# Altium PCB JacdacBreadboardEc30-16x6 128.PcbDoc (part 2 of 2)
Units mm, origin at the board's own origin, x right, y up, seen from the top; angles counter-clockwise.
Board outline 158 x 58 mm, 2 copper layers (Top Layer, Bottom Layer), stack 1.525 mm thick; 96 components, 3 nets, 768 pads, 434 vias.
Unrouted connection lines stored in the file: 55.
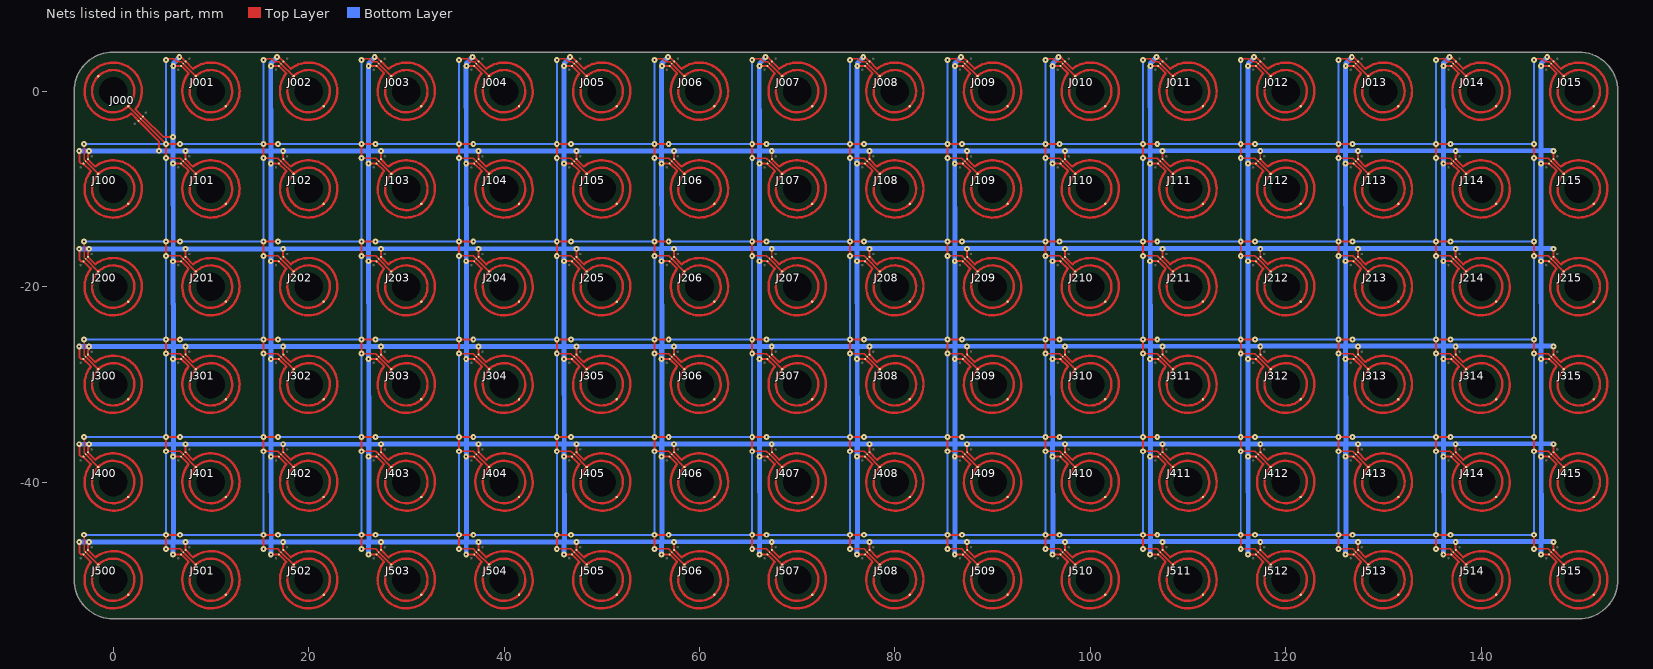
[diagram p2: the nets of this part, all layers, seen from the top]

## Via types
v1: diameter 0.6, hole 0.2, Top Layer to Bottom Layer, tented both sides, 434 vias

## Nets (pads, with @x,y where several pads share a name; then routed paths per layer and width w, separated by ;. In a path a pad name is that pad's centre, name@x,y a point inside that pad or via, vN(x,y) a via of type N, cw(c..) or ccw(c..) an arc to the next point about the centre after c; other vN are vias at no path point) (continued)
JD_DATA: J000.1 J001.1 J002.1 J003.1 J004.1 J005.1 J006.1 J007.1 J008.1 J009.1 J010.1 J011.1 J012.1 J013.1 J014.1 J015.1 J100.1 J101.1 J102.1 J103.1 J104.1 J105.1 J106.1 J107.1 J108.1 J109.1 J110.1 J111.1 J112.1 J113.1 J114.1 J115.1 J200.1 J201.1 J202.1 J203.1 J204.1 J205.1 J206.1 J207.1 J208.1 J209.1 J210.1 J211.1 J212.1 J213.1 J214.1 J215.1 J300.1 J301.1 J302.1 J303.1 J304.1 J305.1 J306.1 J307.1 J308.1 J309.1 J310.1 J311.1 J312.1 J313.1 J314.1 J315.1 J400.1 J401.1 J402.1 J403.1 J404.1 J405.1 J406.1 J407.1 J408.1 J409.1 J410.1 J411.1 J412.1 J413.1 J414.1 J415.1 J500.1 J501.1 J502.1 J503.1 J504.1 J505.1 J506.1 J507.1 J508.1 J509.1 J510.1 J511.1 J512.1 J513.1 J514.1 J515.1 | length 1678.9
  Top Layer w0.15: v1(-2.976,-45.4) -2.976,-47.024 J500.1@-2.828,-47.172 ; v1(-2.976,-35.4) -2.976,-37.024 J400.1@-2.828,-37.172 ; v1(-2.976,-25.4) -2.976,-27.024 J300.1@-2.828,-27.172 ; v1(-2.976,-15.4) -2.976,-17.024 J200.1@-2.828,-17.172 ; v1(-2.976,-5.4) -2.976,-7.024 J100.1@-2.828,-7.172 ; J000.1@2.828,-2.828 v1(5.4,-5.4) ; v1(5.4,-46.854) 6.854,-46.854 J501.1@7.172,-47.172 ; v1(5.4,-36.854) 6.854,-36.854 J401.1@7.172,-37.172 ; v1(5.4,-26.854) 6.854,-26.854 J301.1@7.172,-27.172 ; v1(5.4,-16.854) 6.854,-16.854 J201.1@7.172,-17.172 ; v1(5.4,-6.854) 6.854,-6.854 J101.1@7.172,-7.172 ; v1(5.4,3.211) 5.525,3.336 6.216,3.336 6.557,2.995 7.005,2.995 J001.1@7.172,2.828 ; v1(15.4,-46.854) 16.854,-46.854 J502.1@17.172,-47.172 ; v1(15.4,-36.854) 16.854,-36.854 J402.1@17.172,-37.172 ; v1(15.4,-26.854) 16.854,-26.854 J302.1@17.172,-27.172 ; v1(15.4,-16.854) 16.854,-16.854 J202.1@17.172,-17.172 ; v1(15.4,-6.854) 16.854,-6.854 J102.1@17.172,-7.172 ; v1(15.4,3.211) 15.525,3.336 16.216,3.336 16.557,2.995 17.005,2.995 J002.1@17.172,2.828 ; v1(25.4,-46.854) 26.854,-46.854 J503.1@27.172,-47.172 ; v1(25.4,-36.854) 26.854,-36.854 J403.1@27.172,-37.172 ; v1(25.4,-26.854) 26.854,-26.854 J303.1@27.172,-27.172 ; v1(25.4,-16.854) 26.854,-16.854 J203.1@27.172,-17.172 ; v1(25.4,-6.854) 26.854,-6.854 J103.1@27.172,-7.172 ; v1(25.4,3.211) 25.525,3.336 26.216,3.336 26.557,2.995 27.005,2.995 J003.1@27.172,2.828 ; v1(35.4,-46.854) 36.854,-46.854 J504.1@37.172,-47.172 ; v1(35.4,-36.854) 36.854,-36.854 J404.1@37.172,-37.172 ; v1(35.4,-26.854) 36.854,-26.854 J304.1@37.172,-27.172 ; v1(35.4,-16.854) 36.854,-16.854 J204.1@37.172,-17.172 ; v1(35.4,-6.854) 36.854,-6.854 J104.1@37.172,-7.172 ; v1(35.4,3.211) 35.525,3.336 36.216,3.336 36.557,2.995 37.005,2.995 J004.1@37.172,2.828 ; v1(45.4,-46.854) 46.854,-46.854 J505.1@47.172,-47.172 ; v1(45.4,-36.854) 46.854,-36.854 J405.1@47.172,-37.172 ; v1(45.4,-26.854) 46.854,-26.854 J305.1@47.172,-27.172 ; v1(45.4,-16.854) 46.854,-16.854 J205.1@47.172,-17.172 ; v1(45.4,-6.854) 46.854,-6.854 J105.1@47.172,-7.172 ; v1(45.4,3.211) 45.525,3.336 46.216,3.336 46.557,2.995 47.005,2.995 J005.1@47.172,2.828 ; v1(55.4,-46.854) 56.854,-46.854 J506.1@57.172,-47.172 ; v1(55.4,-36.854) 56.854,-36.854 J406.1@57.172,-37.172 ; v1(55.4,-26.854) 56.854,-26.854 J306.1@57.172,-27.172 ; v1(55.4,-16.854) 56.854,-16.854 J206.1@57.172,-17.172 ; v1(55.4,-6.854) 56.854,-6.854 J106.1@57.172,-7.172 ; v1(55.4,3.211) 55.525,3.336 56.216,3.336 56.557,2.995 57.005,2.995 J006.1@57.172,2.828 ; v1(65.4,-46.854) 66.854,-46.854 J507.1@67.172,-47.172 ; v1(65.4,-36.854) 66.854,-36.854 J407.1@67.172,-37.172 ; v1(65.4,-26.854) 66.854,-26.854 J307.1@67.172,-27.172 ; v1(65.4,-16.854) 66.854,-16.854 J207.1@67.172,-17.172 ; v1(65.4,-6.854) 66.854,-6.854 J107.1@67.172,-7.172 ; v1(65.4,3.211) 65.525,3.336 66.216,3.336 66.557,2.995 67.005,2.995 J007.1@67.172,2.828 ; v1(75.4,-46.854) 76.854,-46.854 J508.1@77.172,-47.172 ; v1(75.4,-36.854) 76.854,-36.854 J408.1@77.172,-37.172 ; v1(75.4,-26.854) 76.854,-26.854 J308.1@77.172,-27.172 ; v1(75.4,-16.854) 76.854,-16.854 J208.1@77.172,-17.172 ; v1(75.4,-6.854) 76.854,-6.854 J108.1@77.172,-7.172 ; v1(75.4,3.211) 75.525,3.336 76.216,3.336 76.557,2.995 77.005,2.995 J008.1@77.172,2.828 ; v1(85.4,-46.854) 86.854,-46.854 J509.1@87.172,-47.172 ; v1(85.4,-36.854) 86.854,-36.854 J409.1@87.172,-37.172 ; v1(85.4,-26.854) 86.854,-26.854 J309.1@87.172,-27.172 ; v1(85.4,-16.854) 86.854,-16.854 J209.1@87.172,-17.172 ; v1(85.4,-6.854) 86.854,-6.854 J109.1@87.172,-7.172 ; v1(85.4,3.211) 85.525,3.336 86.216,3.336 86.557,2.995 87.005,2.995 J009.1@87.172,2.828 ; v1(95.4,-46.854) 96.854,-46.854 J510.1@97.172,-47.172 ; v1(95.4,-36.854) 96.854,-36.854 J410.1@97.172,-37.172 ; v1(95.4,-26.854) 96.854,-26.854 J310.1@97.172,-27.172 ; v1(95.4,-16.854) 96.854,-16.854 J210.1@97.172,-17.172 ; v1(95.4,-6.854) 96.854,-6.854 J110.1@97.172,-7.172 ; v1(95.4,3.211) 95.525,3.336 96.216,3.336 96.557,2.995 97.005,2.995 J010.1@97.172,2.828 ; v1(105.4,-46.854) 106.854,-46.854 J511.1@107.172,-47.172 ; v1(105.4,-36.854) 106.854,-36.854 J411.1@107.172,-37.172 ; v1(105.4,-26.854) 106.854,-26.854 J311.1@107.172,-27.172 ; v1(105.4,-16.854) 106.854,-16.854 J211.1@107.172,-17.172 ; v1(105.4,-6.854) 106.854,-6.854 J111.1@107.172,-7.172 ; v1(105.4,3.211) 105.525,3.336 106.216,3.336 106.557,2.995 107.005,2.995 J011.1@107.172,2.828 ; v1(115.4,-46.854) 116.854,-46.854 J512.1@117.172,-47.172 ; v1(115.4,-36.854) 116.854,-36.854 J412.1@117.172,-37.172 ; v1(115.4,-26.854) 116.854,-26.854 J312.1@117.172,-27.172 ; v1(115.4,-16.854) 116.854,-16.854 J212.1@117.172,-17.172 ; v1(115.4,-6.854) 116.854,-6.854 J112.1@117.172,-7.172 ; v1(115.4,3.211) 115.525,3.336 116.216,3.336 116.557,2.995 117.005,2.995 J012.1@117.172,2.828 ; v1(125.4,-46.854) 126.854,-46.854 J513.1@127.172,-47.172 ; v1(125.4,-36.854) 126.854,-36.854 J413.1@127.172,-37.172 ; v1(125.4,-26.854) 126.854,-26.854 J313.1@127.172,-27.172 ; v1(125.4,-16.854) 126.854,-16.854 J213.1@127.172,-17.172 ; v1(125.4,-6.854) 126.854,-6.854 J113.1@127.172,-7.172 ; v1(125.4,3.211) 125.525,3.336 126.216,3.336 126.557,2.995 127.005,2.995 J013.1@127.172,2.828 ; v1(135.4,-46.854) 136.854,-46.854 J514.1@137.172,-47.172 ; v1(135.4,-36.854) 136.854,-36.854 J414.1@137.172,-37.172 ; v1(135.4,-26.854) 136.854,-26.854 J314.1@137.172,-27.172 ; v1(135.4,-16.854) 136.854,-16.854 J214.1@137.172,-17.172 ; v1(135.4,-6.854) 136.854,-6.854 J114.1@137.172,-7.172 ; v1(135.4,3.211) 135.525,3.336 136.216,3.336 136.557,2.995 137.005,2.995 J014.1@137.172,2.828 ; v1(145.4,-46.854) 146.854,-46.854 J515.1@147.172,-47.172 ; v1(145.4,-36.854) 146.854,-36.854 J415.1@147.172,-37.172 ; v1(145.4,-26.854) 146.854,-26.854 J315.1@147.172,-27.172 ; v1(145.4,-16.854) 146.854,-16.854 J215.1@147.172,-17.172 ; v1(145.4,-6.854) 146.854,-6.854 J115.1@147.172,-7.172 ; v1(145.4,3.211) 145.525,3.336 146.216,3.336 146.557,2.995 147.005,2.995 J015.1@147.172,2.828
  Top Layer w0.2: v1(5.4,-46.854) v1(5.4,-45.4) v1(6.854,-45.4) ; v1(5.4,-36.854) v1(5.4,-35.4) v1(6.854,-35.4) ; v1(5.4,-26.854) v1(5.4,-25.4) v1(6.854,-25.4) ; v1(5.4,-16.854) v1(5.4,-15.4) v1(6.854,-15.4) ; v1(5.4,-6.854) v1(5.4,-5.4) v1(6.854,-5.4) ; v1(15.4,-46.854) v1(15.4,-45.4) v1(16.854,-45.4) ; v1(15.4,-36.854) v1(15.4,-35.4) v1(16.854,-35.4) ; v1(15.4,-26.854) v1(15.4,-25.4) v1(16.854,-25.4) ; v1(15.4,-16.854) v1(15.4,-15.4) v1(16.854,-15.4) ; v1(15.4,-6.854) v1(15.4,-5.4) v1(16.854,-5.4) ; v1(25.4,-46.854) v1(25.4,-45.4) v1(26.854,-45.4) ; v1(25.4,-36.854) v1(25.4,-35.4) v1(26.854,-35.4) ; v1(25.4,-26.854) v1(25.4,-25.4) v1(26.854,-25.4) ; v1(25.4,-16.854) v1(25.4,-15.4) v1(26.854,-15.4) ; v1(25.4,-6.854) v1(25.4,-5.4) v1(26.854,-5.4) ; v1(35.4,-46.854) v1(35.4,-45.4) v1(36.854,-45.4) ; v1(35.4,-36.854) v1(35.4,-35.4) v1(36.854,-35.4) ; v1(35.4,-26.854) v1(35.4,-25.4) v1(36.854,-25.4) ; v1(35.4,-16.854) v1(35.4,-15.4) v1(36.854,-15.4) ; v1(35.4,-6.854) v1(35.4,-5.4) v1(36.854,-5.4) ; v1(45.4,-46.854) v1(45.4,-45.4) v1(46.854,-45.4) ; v1(45.4,-36.854) v1(45.4,-35.4) v1(46.854,-35.4) ; v1(45.4,-26.854) v1(45.4,-25.4) v1(46.854,-25.4) ; v1(45.4,-16.854) v1(45.4,-15.4) v1(46.854,-15.4) ; v1(45.4,-6.854) v1(45.4,-5.4) v1(46.854,-5.4) ; v1(55.4,-46.854) v1(55.4,-45.4) v1(56.854,-45.4) ; v1(55.4,-36.854) v1(55.4,-35.4) v1(56.854,-35.4) ; v1(55.4,-26.854) v1(55.4,-25.4) v1(56.854,-25.4) ; v1(55.4,-16.854) v1(55.4,-15.4) v1(56.854,-15.4) ; v1(55.4,-6.854) v1(55.4,-5.4) v1(56.854,-5.4) ; v1(65.4,-46.854) v1(65.4,-45.4) v1(66.854,-45.4) ; v1(65.4,-36.854) v1(65.4,-35.4) v1(66.854,-35.4) ; v1(65.4,-26.854) v1(65.4,-25.4) v1(66.854,-25.4) ; v1(65.4,-16.854) v1(65.4,-15.4) v1(66.854,-15.4) ; v1(65.4,-6.854) v1(65.4,-5.4) v1(66.854,-5.4) ; v1(75.4,-46.854) v1(75.4,-45.4) v1(76.854,-45.4) ; v1(75.4,-36.854) v1(75.4,-35.4) v1(76.854,-35.4) ; v1(75.4,-26.854) v1(75.4,-25.4) v1(76.854,-25.4) ; v1(75.4,-16.854) v1(75.4,-15.4) v1(76.854,-15.4) ; v1(75.4,-6.854) v1(75.4,-5.4) v1(76.854,-5.4) ; v1(85.4,-46.854) v1(85.4,-45.4) v1(86.854,-45.4) ; v1(85.4,-36.854) v1(85.4,-35.4) v1(86.854,-35.4) ; v1(85.4,-26.854) v1(85.4,-25.4) v1(86.854,-25.4) ; v1(85.4,-16.854) v1(85.4,-15.4) v1(86.854,-15.4) ; v1(85.4,-6.854) v1(85.4,-5.4) v1(86.854,-5.4) ; v1(95.4,-46.854) v1(95.4,-45.4) v1(96.854,-45.4) ; v1(95.4,-36.854) v1(95.4,-35.4) v1(96.854,-35.4) ; v1(95.4,-26.854) v1(95.4,-25.4) v1(96.854,-25.4) ; v1(95.4,-16.854) v1(95.4,-15.4) v1(96.854,-15.4) ; v1(95.4,-6.854) v1(95.4,-5.4) v1(96.854,-5.4) ; v1(105.4,-46.854) v1(105.4,-45.4) v1(106.854,-45.4) ; v1(105.4,-36.854) v1(105.4,-35.4) v1(106.854,-35.4) ; v1(105.4,-26.854) v1(105.4,-25.4) v1(106.854,-25.4) ; v1(105.4,-16.854) v1(105.4,-15.4) v1(106.854,-15.4) ; v1(105.4,-6.854) v1(105.4,-5.4) v1(106.854,-5.4) ; v1(115.4,-46.854) v1(115.4,-45.4) v1(116.854,-45.4) ; v1(115.4,-36.854) v1(115.4,-35.4) v1(116.854,-35.4) ; v1(115.4,-26.854) v1(115.4,-25.4) v1(116.854,-25.4) ; v1(115.4,-16.854) v1(115.4,-15.4) v1(116.854,-15.4) ; v1(115.4,-6.854) v1(115.4,-5.4) v1(116.854,-5.4) ; v1(125.4,-46.854) v1(125.4,-45.4) v1(126.854,-45.4) ; v1(125.4,-36.854) v1(125.4,-35.4) v1(126.854,-35.4) ; v1(125.4,-26.854) v1(125.4,-25.4) v1(126.854,-25.4) ; v1(125.4,-16.854) v1(125.4,-15.4) v1(126.854,-15.4) ; v1(125.4,-6.854) v1(125.4,-5.4) v1(126.854,-5.4) ; v1(135.4,-46.854) v1(135.4,-45.4) v1(136.854,-45.4) ; v1(135.4,-36.854) v1(135.4,-35.4) v1(136.854,-35.4) ; v1(135.4,-26.854) v1(135.4,-25.4) v1(136.854,-25.4) ; v1(135.4,-16.854) v1(135.4,-15.4) v1(136.854,-15.4) ; v1(135.4,-6.854) v1(135.4,-5.4) v1(136.854,-5.4) ; v1(145.4,-46.854) v1(145.4,-45.4) ; v1(145.4,-36.854) v1(145.4,-35.4) ; v1(145.4,-26.854) v1(145.4,-25.4) ; v1(145.4,-16.854) v1(145.4,-15.4) ; v1(145.4,-6.854) v1(145.4,-5.4)
  Bottom Layer w0.2: v1(-2.976,-45.4) v1(5.4,-45.4) v1(5.4,-36.854) ; v1(-2.976,-35.4) v1(5.4,-35.4) v1(5.4,-26.854) ; v1(-2.976,-25.4) v1(5.4,-25.4) v1(5.4,-16.854) ; v1(-2.976,-15.4) v1(5.4,-15.4) v1(5.4,-6.854) ; v1(-2.976,-5.4) v1(5.4,-5.4) v1(5.4,3.211) ; v1(6.854,-45.4) v1(15.4,-45.4) v1(15.4,-36.854) ; v1(6.854,-35.4) v1(15.4,-35.4) v1(15.4,-26.854) ; v1(6.854,-25.4) v1(15.4,-25.4) v1(15.4,-16.854) ; v1(6.854,-15.4) v1(15.4,-15.4) v1(15.4,-6.854) ; v1(6.854,-5.4) v1(15.4,-5.4) v1(15.4,3.211) ; v1(16.854,-45.4) v1(25.4,-45.4) v1(25.4,-36.854) ; v1(16.854,-35.4) v1(25.4,-35.4) v1(25.4,-26.854) ; v1(16.854,-25.4) v1(25.4,-25.4) v1(25.4,-16.854) ; v1(16.854,-15.4) v1(25.4,-15.4) v1(25.4,-6.854) ; v1(16.854,-5.4) v1(25.4,-5.4) v1(25.4,3.211) ; v1(26.854,-45.4) v1(35.4,-45.4) v1(35.4,-36.854) ; v1(26.854,-35.4) v1(35.4,-35.4) v1(35.4,-26.854) ; v1(26.854,-25.4) v1(35.4,-25.4) v1(35.4,-16.854) ; v1(26.854,-15.4) v1(35.4,-15.4) v1(35.4,-6.854) ; v1(26.854,-5.4) v1(35.4,-5.4) v1(35.4,3.211) ; v1(36.854,-45.4) v1(45.4,-45.4) v1(45.4,-36.854) ; v1(36.854,-35.4) v1(45.4,-35.4) v1(45.4,-26.854) ; v1(36.854,-25.4) v1(45.4,-25.4) v1(45.4,-16.854) ; v1(36.854,-15.4) v1(45.4,-15.4) v1(45.4,-6.854) ; v1(36.854,-5.4) v1(45.4,-5.4) v1(45.4,3.211) ; v1(46.854,-45.4) v1(55.4,-45.4) v1(55.4,-36.854) ; v1(46.854,-35.4) v1(55.4,-35.4) v1(55.4,-26.854) ; v1(46.854,-25.4) v1(55.4,-25.4) v1(55.4,-16.854) ; v1(46.854,-15.4) v1(55.4,-15.4) v1(55.4,-6.854) ; v1(46.854,-5.4) v1(55.4,-5.4) v1(55.4,3.211) ; v1(56.854,-45.4) v1(65.4,-45.4) v1(65.4,-36.854) ; v1(56.854,-35.4) v1(65.4,-35.4) v1(65.4,-26.854) ; v1(56.854,-25.4) v1(65.4,-25.4) v1(65.4,-16.854) ; v1(56.854,-15.4) v1(65.4,-15.4) v1(65.4,-6.854) ; v1(56.854,-5.4) v1(65.4,-5.4) v1(65.4,3.211) ; v1(66.854,-45.4) v1(75.4,-45.4) v1(75.4,-36.854) ; v1(66.854,-35.4) v1(75.4,-35.4) v1(75.4,-26.854) ; v1(66.854,-25.4) v1(75.4,-25.4) v1(75.4,-16.854) ; v1(66.854,-15.4) v1(75.4,-15.4) v1(75.4,-6.854) ; v1(66.854,-5.4) v1(75.4,-5.4) v1(75.4,3.211) ; v1(76.854,-45.4) v1(85.4,-45.4) v1(85.4,-36.854) ; v1(76.854,-35.4) v1(85.4,-35.4) v1(85.4,-26.854) ; v1(76.854,-25.4) v1(85.4,-25.4) v1(85.4,-16.854) ; v1(76.854,-15.4) v1(85.4,-15.4) v1(85.4,-6.854) ; v1(76.854,-5.4) v1(85.4,-5.4) v1(85.4,3.211) ; v1(86.854,-45.4) v1(95.4,-45.4) v1(95.4,-36.854) ; v1(86.854,-35.4) v1(95.4,-35.4) v1(95.4,-26.854) ; v1(86.854,-25.4) v1(95.4,-25.4) v1(95.4,-16.854) ; v1(86.854,-15.4) v1(95.4,-15.4) v1(95.4,-6.854) ; v1(86.854,-5.4) v1(95.4,-5.4) v1(95.4,3.211) ; v1(96.854,-45.4) v1(105.4,-45.4) v1(105.4,-36.854) ; v1(96.854,-35.4) v1(105.4,-35.4) v1(105.4,-26.854) ; v1(96.854,-25.4) v1(105.4,-25.4) v1(105.4,-16.854) ; v1(96.854,-15.4) v1(105.4,-15.4) v1(105.4,-6.854) ; v1(96.854,-5.4) v1(105.4,-5.4) v1(105.4,3.211) ; v1(106.854,-45.4) v1(115.4,-45.4) v1(115.4,-36.854) ; v1(106.854,-35.4) v1(115.4,-35.4) v1(115.4,-26.854) ; v1(106.854,-25.4) v1(115.4,-25.4) v1(115.4,-16.854) ; v1(106.854,-15.4) v1(115.4,-15.4) v1(115.4,-6.854) ; v1(106.854,-5.4) v1(115.4,-5.4) v1(115.4,3.211) ; v1(116.854,-45.4) v1(125.4,-45.4) v1(125.4,-36.854) ; v1(116.854,-35.4) v1(125.4,-35.4) v1(125.4,-26.854) ; v1(116.854,-25.4) v1(125.4,-25.4) v1(125.4,-16.854) ; v1(116.854,-15.4) v1(125.4,-15.4) v1(125.4,-6.854) ; v1(116.854,-5.4) v1(125.4,-5.4) v1(125.4,3.211) ; v1(126.854,-45.4) v1(135.4,-45.4) v1(135.4,-36.854) ; v1(126.854,-35.4) v1(135.4,-35.4) v1(135.4,-26.854) ; v1(126.854,-25.4) v1(135.4,-25.4) v1(135.4,-16.854) ; v1(126.854,-15.4) v1(135.4,-15.4) v1(135.4,-6.854) ; v1(126.854,-5.4) v1(135.4,-5.4) v1(135.4,3.211) ; v1(136.854,-45.4) v1(145.4,-45.4) v1(145.4,-36.854) ; v1(136.854,-35.4) v1(145.4,-35.4) v1(145.4,-26.854) ; v1(136.854,-25.4) v1(145.4,-25.4) v1(145.4,-16.854) ; v1(136.854,-15.4) v1(145.4,-15.4) v1(145.4,-6.854) ; v1(136.854,-5.4) v1(145.4,-5.4) v1(145.4,3.211)
JD_PWR: J000.3 J001.3 J002.3 J003.3 J004.3 J005.3 J006.3 J007.3 J008.3 J009.3 J010.3 J011.3 J012.3 J013.3 J014.3 J015.3 J100.3 J101.3 J102.3 J103.3 J104.3 J105.3 J106.3 J107.3 J108.3 J109.3 J110.3 J111.3 J112.3 J113.3 J114.3 J115.3 J200.3 J201.3 J202.3 J203.3 J204.3 J205.3 J206.3 J207.3 J208.3 J209.3 J210.3 J211.3 J212.3 J213.3 J214.3 J215.3 J300.3 J301.3 J302.3 J303.3 J304.3 J305.3 J306.3 J307.3 J308.3 J309.3 J310.3 J311.3 J312.3 J313.3 J314.3 J315.3 J400.3 J401.3 J402.3 J403.3 J404.3 J405.3 J406.3 J407.3 J408.3 J409.3 J410.3 J411.3 J412.3 J413.3 J414.3 J415.3 J500.3 J501.3 J502.3 J503.3 J504.3 J505.3 J506.3 J507.3 J508.3 J509.3 J510.3 J511.3 J512.3 J513.3 J514.3 J515.3 | length 1724.1
  Top Layer w0.2: v1(-3.481,-46.131) -3.461,-46.151 -3.461,-47.225 -3.277,-47.409 J500.3@-3.047,-47.409 ; v1(-3.481,-36.131) -3.461,-36.151 -3.461,-37.225 -3.277,-37.409 J400.3@-3.047,-37.409 ; v1(-3.481,-26.131) -3.461,-26.151 -3.461,-27.225 -3.277,-27.409 J300.3@-3.047,-27.409 ; v1(-3.481,-16.131) -3.461,-16.151 -3.461,-17.225 -3.277,-17.409 J200.3@-3.047,-17.409 ; v1(-3.481,-6.131) -3.461,-6.151 -3.461,-7.225 -3.277,-7.409 J100.3@-3.047,-7.409 ; J500.3@-2.593,-46.934 -2.593,-46.546 -2.548,-46.502 -2.548,-46.208 v1(-2.471,-46.131) ; J400.3@-2.593,-36.934 -2.593,-36.546 -2.548,-36.502 -2.548,-36.208 v1(-2.471,-36.131) ; J300.3@-2.593,-26.934 -2.593,-26.546 -2.548,-26.502 -2.548,-26.208 v1(-2.471,-26.131) ; J200.3@-2.593,-16.934 -2.593,-16.546 -2.548,-16.502 -2.548,-16.208 v1(-2.471,-16.131) ; J100.3@-2.593,-6.934 -2.593,-6.546 -2.548,-6.502 -2.548,-6.208 v1(-2.471,-6.131) ; J000.3@2.59,-3.046 4.7,-5.156 v1(4.7,-6.1) ; J000.3@3.047,-2.591 5.156,-4.7 v1(6.131,-4.7) ; v1@6.132,-47.401 J501.3@6.934,-47.401 ; v1@6.132,-37.401 J401.3@6.934,-37.401 ; v1@6.132,-27.401 J301.3@6.934,-27.401 ; v1(6.131,-17.409) J201.3@6.953,-17.409 ; v1@6.132,-7.401 J101.3@6.934,-7.401 ; v1(6.15,2.592) J001.3@6.953,2.591 ; v1(6.766,3.5) 6.805,3.461 6.97,3.461 7.386,3.046 J001.3@7.41,3.046 ; J501.3@7.399,-46.934 v1(7.4,-46.131) ; J401.3@7.399,-36.934 v1(7.4,-36.131) ; J301.3@7.399,-26.934 v1(7.4,-26.131) ; J201.3@7.399,-16.934 v1(7.4,-16.131) ; J101.3@7.399,-6.934 v1(7.4,-6.131) ; v1@16.132,-47.401 J502.3@16.934,-47.401 ; v1@16.132,-37.401 J402.3@16.934,-37.401 ; v1@16.132,-27.401 J302.3@16.934,-27.401 ; v1@16.132,-17.401 J202.3@16.934,-17.401 ; v1@16.132,-7.401 J102.3@16.934,-7.401 ; v1(16.15,2.592) J002.3@16.953,2.591 ; v1(16.766,3.5) 16.805,3.461 16.97,3.461 17.386,3.046 J002.3@17.41,3.046 ; J502.3@17.399,-46.934 v1(17.4,-46.131) ; J402.3@17.399,-36.934 v1(17.4,-36.131) ; J302.3@17.399,-26.934 v1(17.4,-26.131) ; J202.3@17.399,-16.934 v1(17.4,-16.131) ; J102.3@17.399,-6.934 v1(17.4,-6.131) ; v1@26.132,-47.401 J503.3@26.934,-47.401 ; v1@26.132,-37.401 J403.3@26.934,-37.401 ; v1@26.132,-27.401 J303.3@26.934,-27.401 ; v1@26.132,-17.401 J203.3@26.934,-17.401 ; v1@26.132,-7.401 J103.3@26.934,-7.401 ; v1(26.15,2.592) J003.3@26.953,2.591 ; v1(26.766,3.5) 26.805,3.461 26.97,3.461 27.386,3.046 J003.3@27.41,3.046 ; J503.3@27.399,-46.934 v1(27.4,-46.131) ; J403.3@27.399,-36.934 v1(27.4,-36.131) ; J303.3@27.399,-26.934 v1(27.4,-26.131) ; J203.3@27.399,-16.934 v1(27.4,-16.131) ; J103.3@27.399,-6.934 v1(27.4,-6.131) ; v1@36.132,-47.401 J504.3@36.934,-47.401 ; v1@36.132,-37.401 J404.3@36.934,-37.401 ; v1@36.132,-27.401 J304.3@36.934,-27.401 ; v1@36.132,-17.401 J204.3@36.934,-17.401 ; v1@36.132,-7.401 J104.3@36.934,-7.401 ; v1(36.15,2.592) J004.3@36.953,2.591 ; v1(36.766,3.5) 36.805,3.461 36.97,3.461 37.386,3.046 J004.3@37.41,3.046 ; J504.3@37.399,-46.934 v1(37.4,-46.131) ; J404.3@37.399,-36.934 v1(37.4,-36.131) ; J304.3@37.399,-26.934 v1(37.4,-26.131) ; J204.3@37.399,-16.934 v1(37.4,-16.131) ; J104.3@37.399,-6.934 v1(37.4,-6.131) ; v1@46.132,-47.401 J505.3@46.934,-47.401 ; v1@46.132,-37.401 J405.3@46.934,-37.401 ; v1@46.132,-27.401 J305.3@46.934,-27.401 ; v1@46.132,-17.401 J205.3@46.934,-17.401 ; v1@46.132,-7.401 J105.3@46.934,-7.401 ; v1(46.15,2.592) J005.3@46.953,2.591 ; v1(46.766,3.5) 46.805,3.461 46.97,3.461 47.386,3.046 J005.3@47.41,3.046 ; J505.3@47.399,-46.934 v1(47.4,-46.131) ; J405.3@47.399,-36.934 v1(47.4,-36.131) ; J305.3@47.399,-26.934 v1(47.4,-26.131) ; J205.3@47.399,-16.934 v1(47.4,-16.131) ; J105.3@47.399,-6.934 v1(47.4,-6.131) ; v1@56.132,-47.401 J506.3@56.934,-47.401 ; v1@56.132,-37.401 J406.3@56.934,-37.401 ; v1@56.132,-27.401 J306.3@56.934,-27.401 ; v1@56.132,-17.401 J206.3@56.934,-17.401 ; v1@56.132,-7.401 J106.3@56.934,-7.401 ; v1(56.15,2.592) J006.3@56.953,2.591 ; v1(56.766,3.5) 56.805,3.461 56.97,3.461 57.386,3.046 J006.3@57.41,3.046 ; J506.3@57.399,-46.934 v1(57.4,-46.131) ; J406.3@57.399,-36.934 v1(57.4,-36.131) ; J306.3@57.399,-26.934 v1(57.4,-26.131) ; J206.3@57.399,-16.934 v1(57.4,-16.131) ; J106.3@57.399,-6.934 v1(57.4,-6.131) ; v1@66.132,-47.401 J507.3@66.934,-47.401 ; v1@66.132,-37.401 J407.3@66.934,-37.401 ; v1@66.132,-27.401 J307.3@66.934,-27.401 ; v1@66.132,-17.401 J207.3@66.934,-17.401 ; v1@66.132,-7.401 J107.3@66.934,-7.401 ; v1(66.15,2.592) J007.3@66.953,2.591 ; v1(66.766,3.5) 66.805,3.461 66.97,3.461 67.386,3.046 J007.3@67.41,3.046 ; J507.3@67.399,-46.934 v1(67.4,-46.131) ; J407.3@67.399,-36.934 v1(67.4,-36.131) ; J307.3@67.399,-26.934 v1(67.4,-26.131) ; J207.3@67.399,-16.934 v1(67.4,-16.131) ; J107.3@67.399,-6.934 v1(67.4,-6.131) ; v1@76.132,-47.401 J508.3@76.934,-47.401 ; v1@76.132,-37.401 J408.3@76.934,-37.401 ; v1@76.132,-27.401 J308.3@76.934,-27.401 ; v1@76.132,-17.401 J208.3@76.934,-17.401 ; v1@76.132,-7.401 J108.3@76.934,-7.401 ; v1(76.15,2.592) J008.3@76.953,2.591 ; v1(76.766,3.5) 76.805,3.461 76.97,3.461 77.386,3.046 J008.3@77.41,3.046 ; J508.3@77.399,-46.934 v1(77.4,-46.131) ; J408.3@77.399,-36.934 v1(77.4,-36.131) ; J308.3@77.399,-26.934 v1(77.4,-26.131) ; J208.3@77.399,-16.934 v1(77.4,-16.131) ; J108.3@77.399,-6.934 v1(77.4,-6.131) ; v1@86.132,-47.401 J509.3@86.934,-47.401 ; v1@86.132,-37.401 J409.3@86.934,-37.401 ; v1@86.132,-27.401 J309.3@86.934,-27.401 ; v1@86.132,-17.401 J209.3@86.934,-17.401 ; v1@86.132,-7.401 J109.3@86.934,-7.401 ; v1(86.15,2.592) J009.3@86.953,2.591 ; v1(86.766,3.5) 86.805,3.461 86.97,3.461 87.386,3.046 J009.3@87.41,3.046 ; J509.3@87.399,-46.934 v1(87.4,-46.131) ; J409.3@87.399,-36.934 v1(87.4,-36.131) ; J309.3@87.399,-26.934 v1(87.4,-26.131) ; J209.3@87.399,-16.934 v1(87.4,-16.131) ; J109.3@87.399,-6.934 v1(87.4,-6.131) ; v1@96.132,-47.401 J510.3@96.934,-47.401 ; v1@96.132,-37.401 J410.3@96.934,-37.401 ; v1@96.132,-27.401 J310.3@96.934,-27.401 ; v1@96.132,-17.401 J210.3@96.934,-17.401 ; v1@96.132,-7.401 J110.3@96.934,-7.401 ; v1(96.15,2.592) J010.3@96.953,2.591 ; v1(96.766,3.5) 96.805,3.461 96.97,3.461 97.386,3.046 J010.3@97.41,3.046 ; J510.3@97.399,-46.934 v1(97.4,-46.131) ; J410.3@97.399,-36.934 v1(97.4,-36.131) ; J310.3@97.399,-26.934 v1(97.4,-26.131) ; J210.3@97.399,-16.934 v1(97.4,-16.131) ; J110.3@97.399,-6.934 v1(97.4,-6.131) ; v1@106.132,-47.401 J511.3@106.934,-47.401 ; v1@106.132,-37.401 J411.3@106.934,-37.401 ; v1@106.132,-27.401 J311.3@106.934,-27.401 ; v1@106.132,-17.401 J211.3@106.934,-17.401 ; v1@106.132,-7.401 J111.3@106.934,-7.401 ; v1(106.15,2.592) J011.3@106.953,2.591 ; v1(106.766,3.5) 106.805,3.461 106.97,3.461 107.386,3.046 J011.3@107.41,3.046 ; J511.3@107.399,-46.934 v1(107.4,-46.131) ; J411.3@107.399,-36.934 v1(107.4,-36.131) ; J311.3@107.399,-26.934 v1(107.4,-26.131) ; J211.3@107.399,-16.934 v1(107.4,-16.131) ; J111.3@107.399,-6.934 v1(107.4,-6.131) ; v1@116.132,-47.401 J512.3@116.934,-47.401 ; v1@116.132,-37.401 J412.3@116.934,-37.401 ; v1@116.132,-27.401 J312.3@116.934,-27.401 ; v1@116.132,-17.401 J212.3@116.934,-17.401 ; v1@116.132,-7.401 J112.3@116.934,-7.401 ; v1(116.15,2.592) J012.3@116.953,2.591 ; v1(116.766,3.5) 116.805,3.461 116.97,3.461 117.386,3.046 J012.3@117.41,3.046 ; J512.3@117.399,-46.934 v1(117.4,-46.131) ; J412.3@117.399,-36.934 v1(117.4,-36.131) ; J312.3@117.399,-26.934 v1(117.4,-26.131) ; J212.3@117.399,-16.934 v1(117.4,-16.131) ; J112.3@117.399,-6.934 v1(117.4,-6.131) ; v1@126.132,-47.401 J513.3@126.934,-47.401 ; v1@126.132,-37.401 J413.3@126.934,-37.401 ; v1@126.132,-27.401 J313.3@126.934,-27.401 ; v1@126.132,-17.401 J213.3@126.934,-17.401 ; v1@126.132,-7.401 J113.3@126.934,-7.401 ; v1(126.15,2.592) J013.3@126.953,2.591 ; v1(126.766,3.5) 126.805,3.461 126.97,3.461 127.386,3.046 J013.3@127.41,3.046 ; J513.3@127.399,-46.934 v1(127.4,-46.131) ; J413.3@127.399,-36.934 v1(127.4,-36.131) ; J313.3@127.399,-26.934 v1(127.4,-26.131) ; J213.3@127.399,-16.934 v1(127.4,-16.131) ; J113.3@127.399,-6.934 v1(127.4,-6.131) ; v1@136.132,-47.401 J514.3@136.934,-47.401 ; v1@136.132,-37.401 J414.3@136.934,-37.401 ; v1@136.132,-27.401 J314.3@136.934,-27.401 ; v1@136.132,-17.401 J214.3@136.934,-17.401 ; v1@136.132,-7.401 J114.3@136.934,-7.401 ; v1(136.15,2.592) J014.3@136.953,2.591 ; v1(136.766,3.5) 136.805,3.461 136.97,3.461 137.386,3.046 J014.3@137.41,3.046 ; J514.3@137.399,-46.934 v1(137.4,-46.131) ; J414.3@137.399,-36.934 v1(137.4,-36.131) ; J314.3@137.399,-26.934 v1(137.4,-26.131) ; J214.3@137.399,-16.934 v1(137.4,-16.131) ; J114.3@137.399,-6.934 v1(137.4,-6.131) ; v1@146.132,-47.401 J515.3@146.934,-47.401 ; v1@146.132,-37.401 J415.3@146.934,-37.401 ; v1@146.132,-27.401 J315.3@146.934,-27.401 ; v1@146.132,-17.401 J215.3@146.934,-17.401 ; v1@146.132,-7.401 J115.3@146.934,-7.401 ; v1(146.15,2.592) J015.3@146.953,2.591 ; v1(146.766,3.5) 146.805,3.461 146.97,3.461 147.386,3.046 J015.3@147.41,3.046 ; J515.3@147.399,-46.934 v1(147.4,-46.131) ; J415.3@147.399,-36.934 v1(147.4,-36.131) ; J315.3@147.399,-26.934 v1(147.4,-26.131) ; J215.3@147.399,-16.934 v1(147.4,-16.131) ; J115.3@147.399,-6.934 v1(147.4,-6.131)